# Altium PCB LOGI-PI.PcbDoc (part 1 of 3)
Units mil, origin at the board's own origin, x right, y up, seen from the top; angles counter-clockwise.
Board outline 3363.37 x 2303.46 mil, 4 copper layers (Top Layer, GND, VDD, Bottom Layer); 111 components, 137 nets, 532 pads, 353 vias.
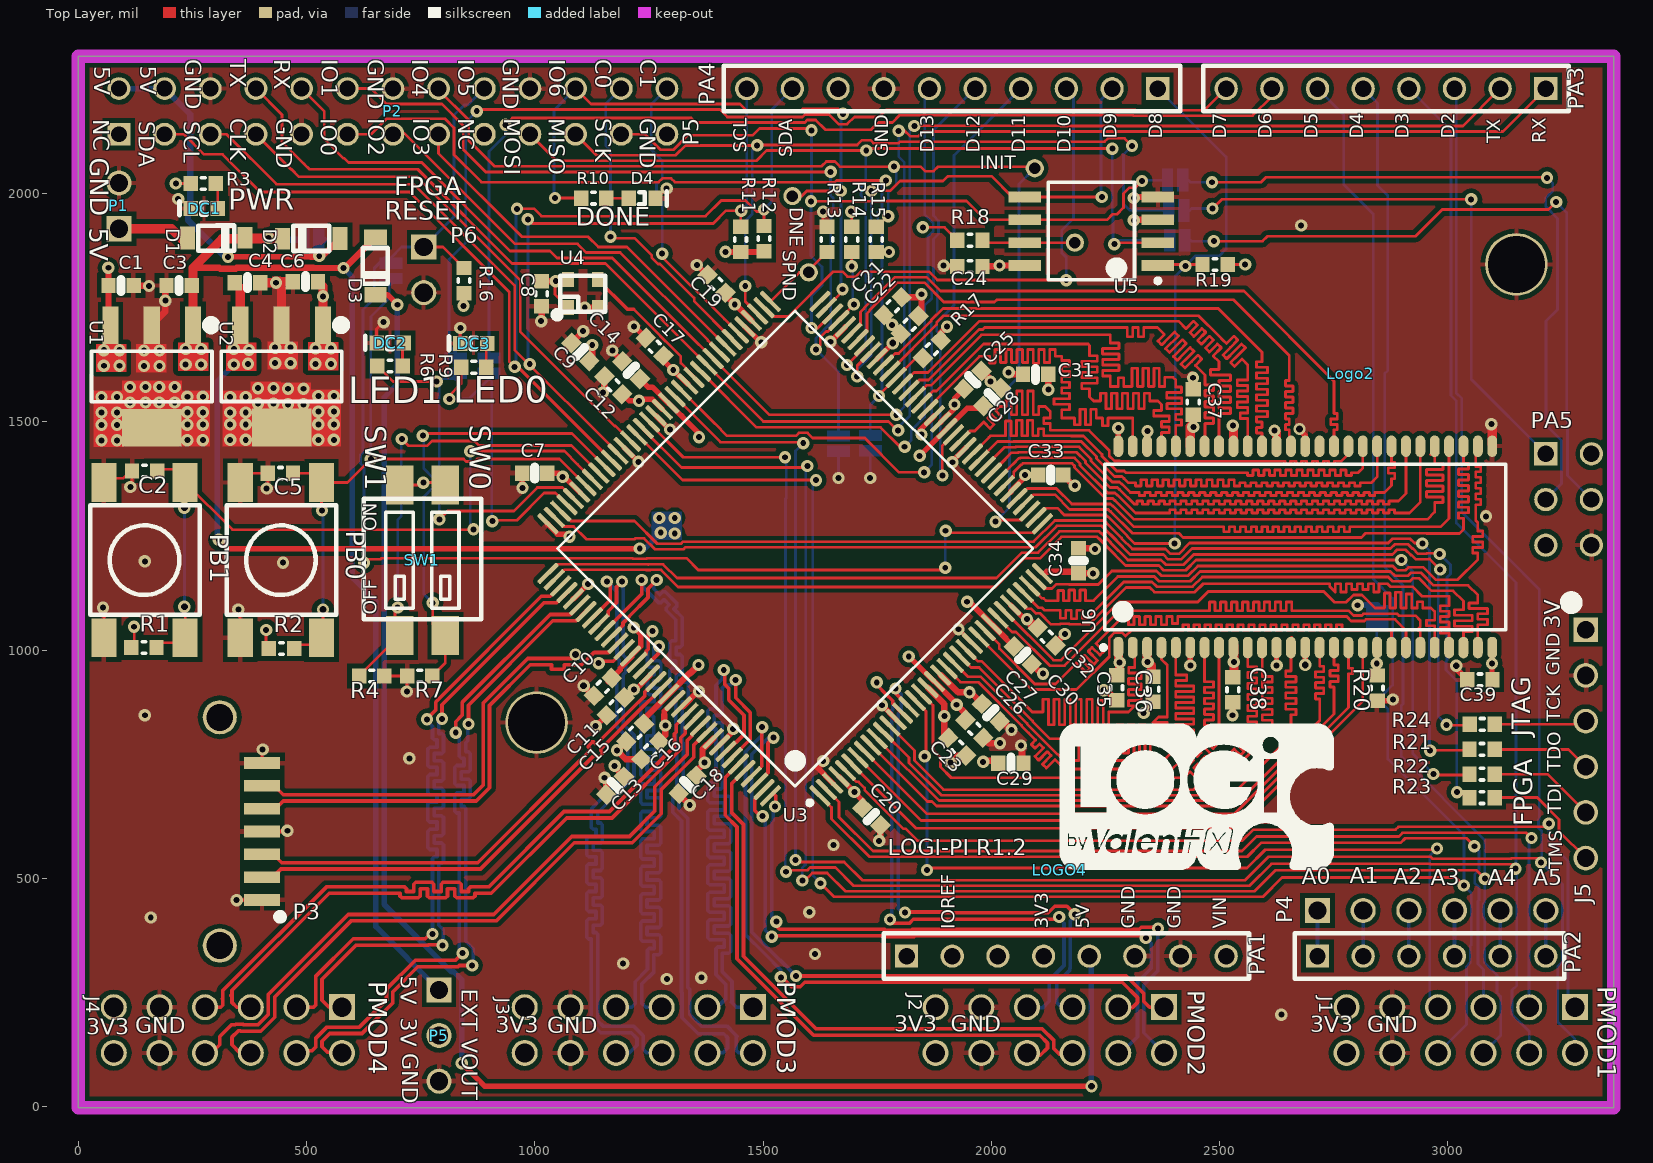
[diagram p0: Top Layer view]
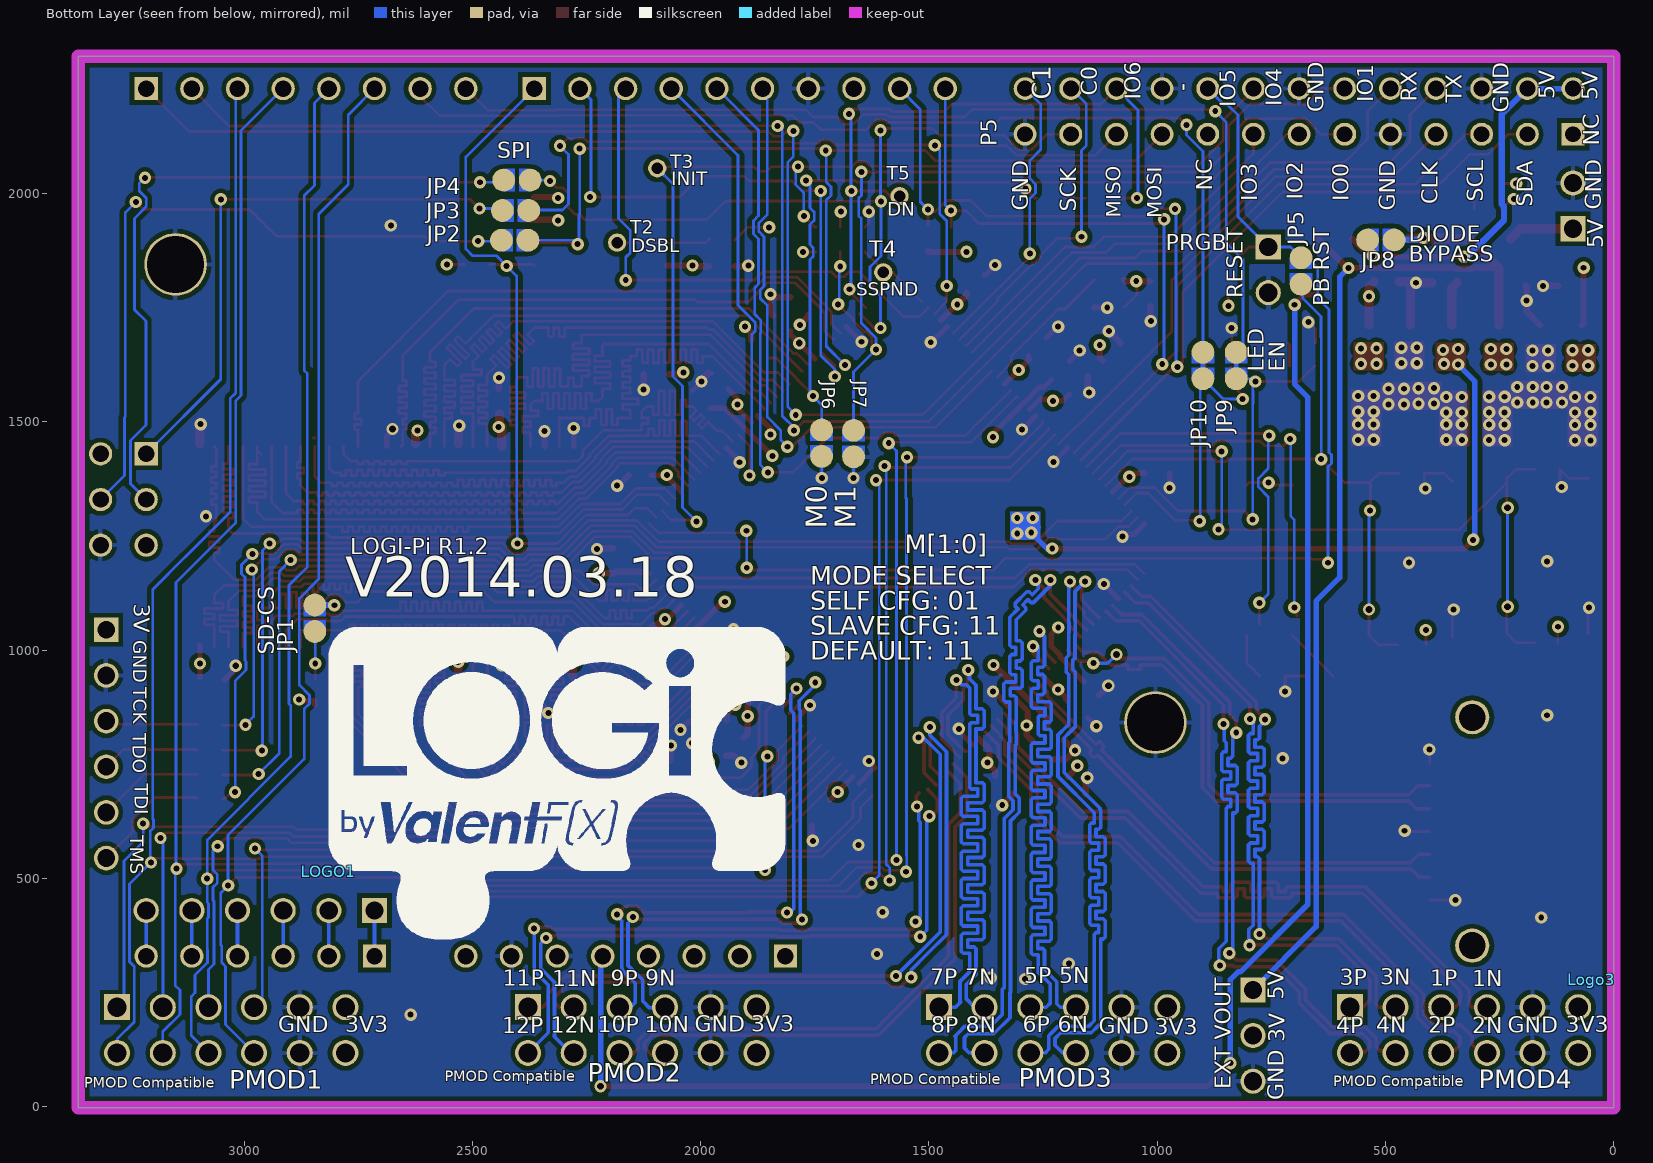
[diagram p1: Bottom Layer view, seen from below]
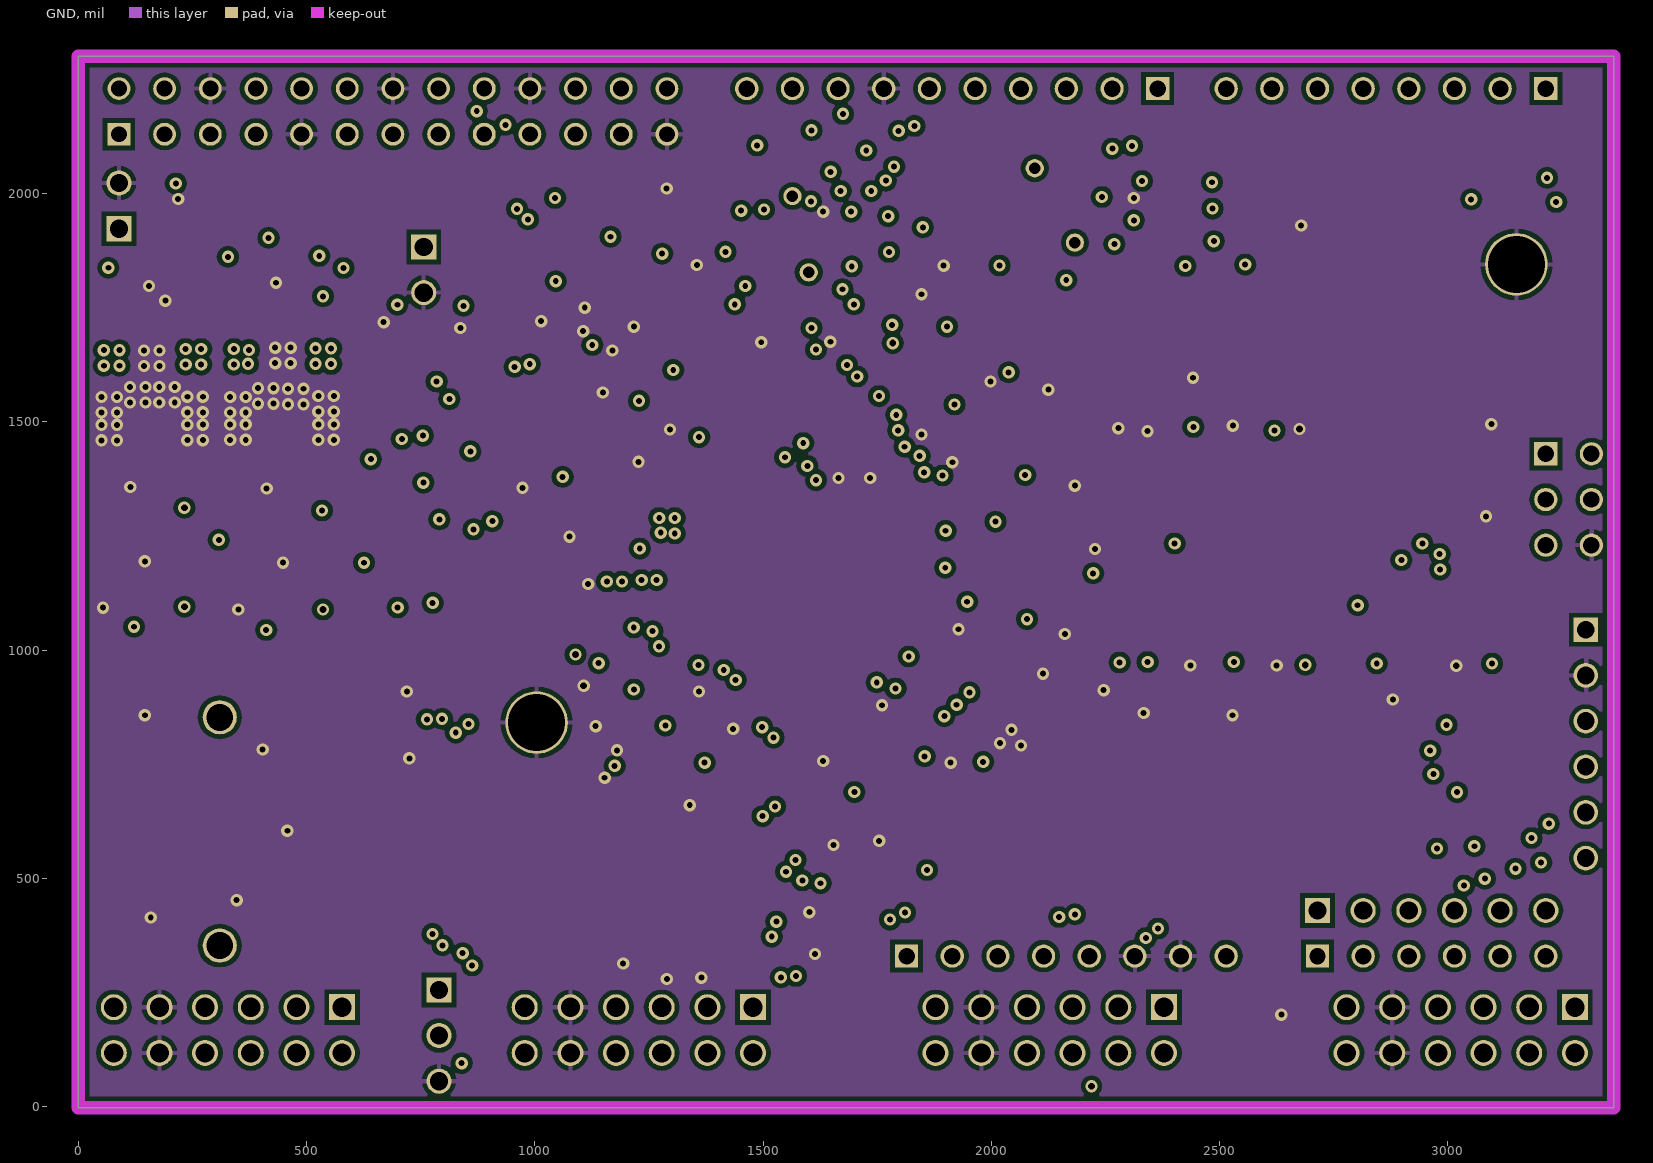
[diagram p2: GND]
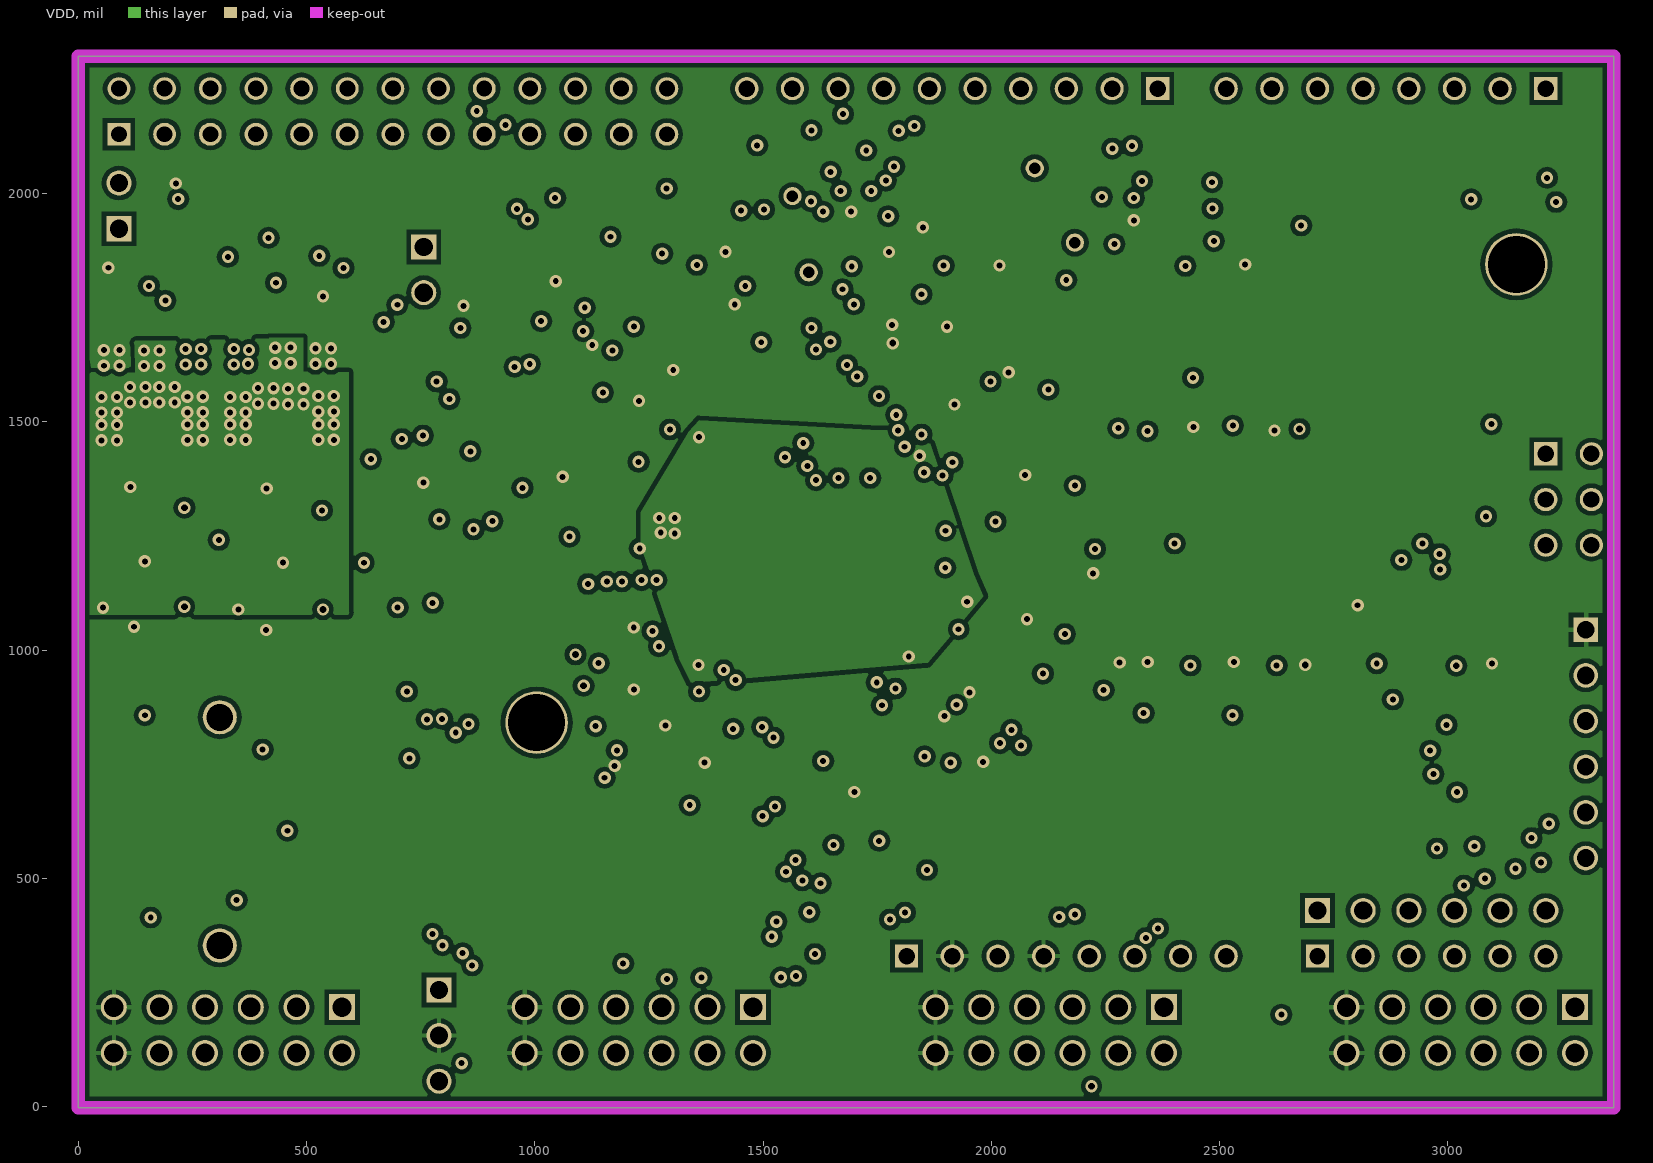
[diagram p3: VDD]
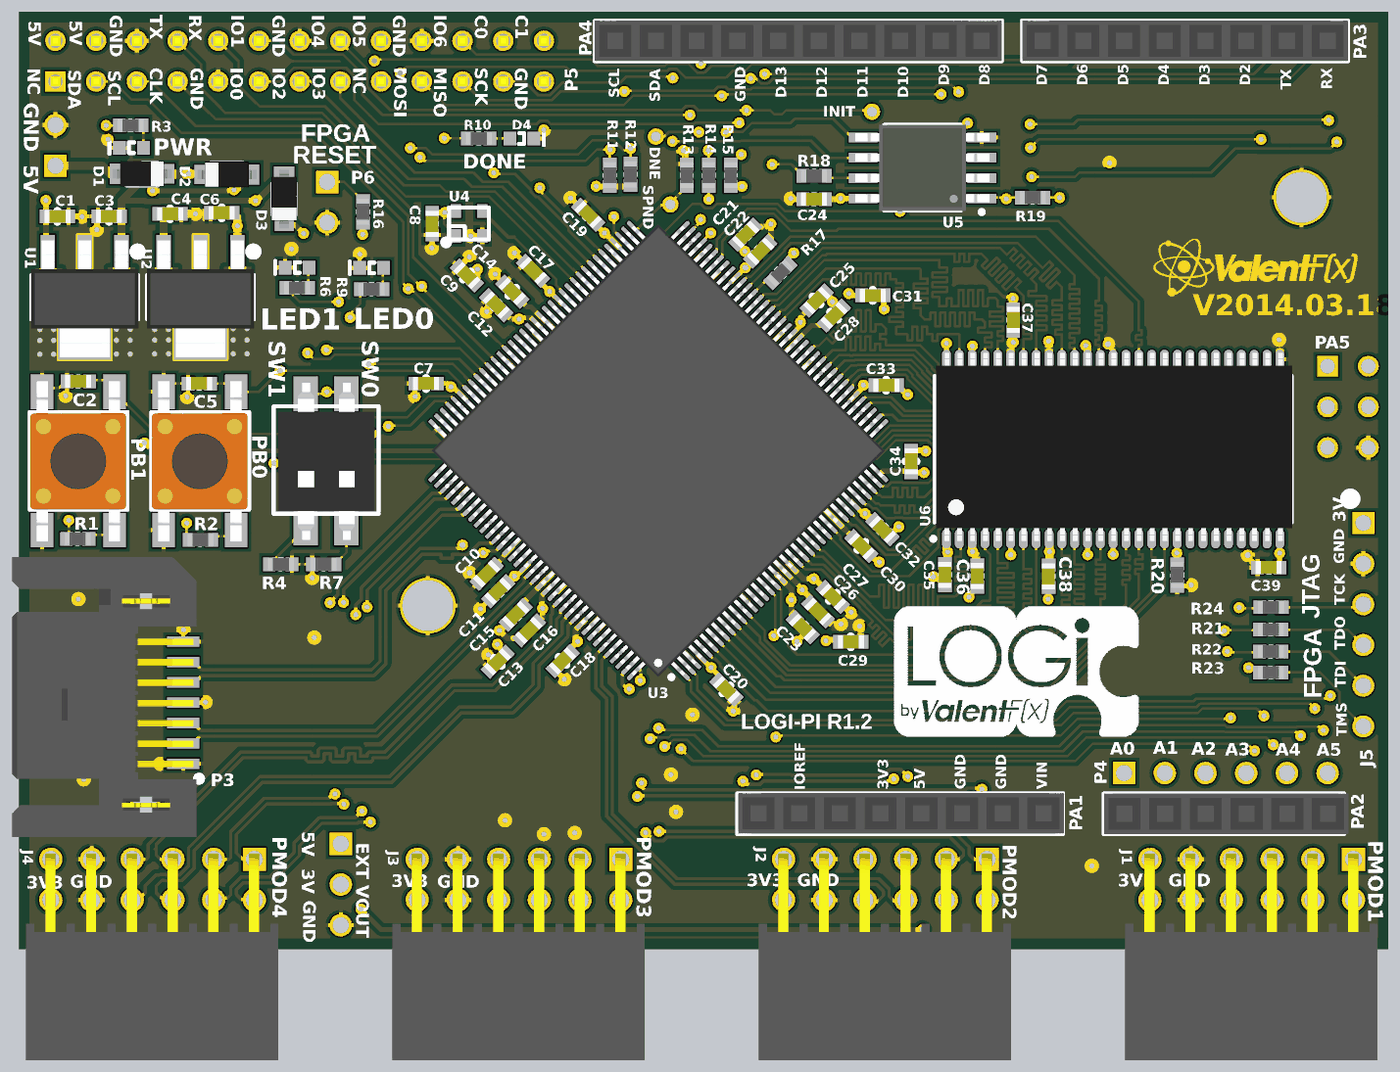
[diagram p6: 3D render of the assembled board from above, using the file's embedded part models]

## Layer stack, top to bottom
Top Solder: solder mask 0.4, Solder Resist, Dk 3.5
Top Layer: signal copper 1.4
Dielectric1: core 12.6, FR-4, Dk 4.8
GND: signal copper 1.4
Dielectric2: prepreg 12.6, FR-4, Dk 4.8
VDD: signal copper 1.4
Dielectric3: core 12.6, FR-4, Dk 4.8
Bottom Layer: signal copper 1.4
Bottom Solder: solder mask 0.4, Solder Resist, Dk 3.5

## Board outline
0,-2.46 3363.37,-2.46 3363.37,2301 0,2301

## Design rules (kind name [scope] priority, off if disabled: settings)
Clearance POLY_IN_BGA [(WithinRoom('BGA_INNER'))] p1: gap=6
Clearance POLY_TO_POLY [inpoly vs inpoly] p2: gap=10
Clearance polytoall [inpolygon] p3: gap=10
Clearance [All] p4: gap=6
DiffPairsRouting [All] p1: maxlimit=6 minlimit=6 mostfreqgap=6 toplayer_minwidth=6 toplayer_maxwidth=15 toplayer_prefwidth=8 midlayer1_minwidth=6 midlayer1_maxwidth=15 midlayer1_prefwidth=8 midlayer2_minwidth=6 midlayer2_maxwidth=15 midlayer2_prefwidth=8 bottomlayer_minwidth=6 bottomlayer_maxwidth=15 bottomlayer_prefwidth=8 maxuncoupledlength=500
FabricationTestPointUsage TestPointUsage [All] p1: valid=0 allowmultiple=FALSE
FabricationTestpoint Testpoint [All] p1: side=3 testpointundercomponent=TRUE minsize=40 maxsize=100 preferedsize=60 minholesize=0 maxholesize=40 preferedholesize=32 testpointgrid=1 allowsidetop=TRUE allowsidebottom=TRUE usegrid=TRUE gridtolerance=0.01
PlaneClearance [All] p1: clearance=10
PlaneConnect PlaneConnect_1 [(ObjectKind = 'Pad') And ((Component = 'U1')  or    (Component = 'U2')  )] p1: planeconnectstyle=Direct reliefexpansion=20 reliefentries=4 reliefconductorwidth=10 reliefairgap=10
PlaneConnect via-plane [isvia] p2: planeconnectstyle=Direct reliefexpansion=20 reliefentries=4 reliefconductorwidth=10 reliefairgap=10
PlaneConnect [All] p3: planeconnectstyle=Relief reliefexpansion=20 reliefentries=4 reliefconductorwidth=10 reliefairgap=10
PolygonConnect PolygonConnect_1 [(ObjectKind = 'Pad') And ((Component = 'U1')  or    (Component = 'U2')  )] p1: connectstyle=Direct reliefconductorwidth=10 reliefentries=4 polygonreliefangle="90 Angle" airgapwidth=10
PolygonConnect via-poly [isvia] p2: connectstyle=Direct reliefconductorwidth=10 reliefentries=4 polygonreliefangle="90 Angle" airgapwidth=10
PolygonConnect [All] p3: connectstyle=Relief reliefconductorwidth=10 reliefentries=4 polygonreliefangle="90 Angle" airgapwidth=10
RoutingLayers [All] p1: top layer_v5=TRUE mid layer 1_v5=FALSE mid layer 2_v5=FALSE bottom layer_v5=TRUE
RoutingVias [All] p1: holewidth=13 width=27 viastyle="Through Hole" minholewidth=13 minwidth=27 maxholewidth=25 maxwidth=40
SilkToSolderMaskClearance SilkscreenOverComponentPads [IsPad] p1: minsilkscreentomaskgap=10 clearancetoexposedcopper=TRUE
SolderMaskExpansion VIA [isvia and not(locked)] p1: expansion=-100
SolderMaskExpansion SolderMaskExpansion_1 [All] p2: expansion=4
UnpouredPolygon [All] p1: allowunpoured=FALSE
Width diff-pair-width [IsDifferentialPair] p1: maxlimit=10 minlimit=6 preferedwidth=8
Width [All] p2: maxlimit=30 minlimit=6 preferedwidth=14
22 further rules are at their usual default settings.

## Classes and differential pairs
net class differential: PMOD2_1_DIFF11_P PMOD2_2_DIFF11_N PMOD2_3_DIFF9_P PMOD2_7_DIFF12_P PMOD2_8_DIFF12_N PMOD2_9_DIFF10_P PMOD2_10_DIFF10_N PMOD3_1_DIFF7_P PMOD3_2_DIFF7_N PMOD3_3_DIFF5_P PMOD3_4_DIFF5_N PMOD3_7_DIFF8_P PMOD3_8_DIFF8_N PMOD3_9_DIFF6_P PMOD3_10_DIFF6_N PMOD4_1_DIFF3_P PMOD4_2_DIFF3_N PMOD4_3_DIFF1_P PMOD4_4_DIFF1_N PMOD4_7_DIFF4_P PMOD4_8_DIFF4_N PMOD4_9_DIFF2_P PMOD4_10_DIFF2_N
net class SPI: SYS_MISO SYS_MOSI SYS_SCK
net class SATA: SATA_D1_N SATA_D1_P SATA_D2_N SATA_D2_P
component class RAM: C35 C36 C37 C38 C39 JP1 R20 U6
net class JTAG: TCK TDI TDO TMS
net class RAM: SD-A0 SD-A1 SD-A2 SD-A3 SD-A4 SD-A5 SD-A6 SD-A7 SD-A8 SD-A9 SD-A10 SD-A11 SD-A12 SD-BA0 SD-BA1 SD-CAS SD-CKE SD-CLK SD-DQ0 SD-DQ1 SD-DQ2 SD-DQ3 SD-DQ4 SD-DQ5 SD-DQ6 SD-DQ7 SD-DQ8 SD-DQ9 SD-DQ10 SD-DQ11 SD-DQ12 SD-DQ13 SD-DQ14 SD-DQ15 SD-DQMH SD-DQML SD-RAS SD-WE
differential pair SATA_D1: +SATA_D1_P -SATA_D1_N
differential pair SATA_D2: +SATA_D2_P -SATA_D2_N
differential pair PMOD3_1_DIFF7: +PMOD3_1_DIFF7_P -PMOD3_2_DIFF7_N
differential pair PMOD3_3_DIFF5: +PMOD3_3_DIFF5_P -PMOD3_4_DIFF5_N
differential pair PMOD3_8_DIFF8: +PMOD3_7_DIFF8_P -PMOD3_8_DIFF8_N
differential pair PMOD3_10_DIFF6: +PMOD3_9_DIFF6_P -PMOD3_10_DIFF6_N
differential pair PMOD4_1_DIFF3: +PMOD4_1_DIFF3_P -PMOD4_2_DIFF3_N
differential pair PMOD4_3_DIFF1: +PMOD4_3_DIFF1_P -PMOD4_4_DIFF1_N
differential pair PMOD4_8_DIFF4: +PMOD4_7_DIFF4_P -PMOD4_8_DIFF4_N
differential pair PMOD4_10_DIFF2: +PMOD4_9_DIFF2_P -PMOD4_10_DIFF2_N

## Components (designator, comment, footprint, x,y, rotation, side; value= is the part's Value field where it differs from the comment)
C1 "4.7uF" "C0603 - Marked" 94,1798.54 r0 top
C2 ".1uF" C0603 145.37,1392.54 r180 top
C3 "4.7uF" "C0603 - Marked" 221,1798.54 r180 top
C4 "4.7uF" "C0603 - Marked" 370.87,1804.81 r0 top
C5 ".1uF" C0603 442.85,1387.29 r180 top
C6 "4.7uF" "C0603 - Marked" 497.83,1807 r180 top
C7 "4.7uF" "C0603 - Marked" 1000,1387.54 r180 top
C8 ".1uF" C0603 1015,1780.54 r270 top
C9 "4.7uF" "C0603 - Marked" 1100.1,1653.09 r135 top
C10 ".47uF" C0603 1149.1,919.71 r225 top
C11 ".47uF" C0603 1177,877 r225 top
C12 ".47uF" C0603 1172.1,1580.09 r135 top
C13 "4.7uF" "C0603 - Marked" 1176,703.54 r225 top
C14 "4.7uF" "C0603 - Marked" 1211.19,1613.42 r135 top
C15 ".47uF" C0603 1220,819.33 r225 top
C16 ".47uF" C0603 1253,780.46 r225 top
C17 ".47uF" C0603 1262.64,1664.46 r135 top
C18 "4.7uF" "C0603 - Marked" 1335,705.54 r225 top
C19 ".47uF" C0603 1398,1802.54 r135 top
C20 "4.7uF" "C0603 - Marked" 1737.5,635.54 r315 top
C21 ".47uF" C0603 1784.1,1753.54 r45 top
C22 ".47uF" C0603 1821,1712.54 r45 top
C23 ".47uF" C0603 1925,788.54 r315 top
C24 ".1uF" C0603 1953,1840.54 r180 top
C25 "4.7uF" "C0603 - Marked" 1959,1591.83 r45 top
C26 ".47uF" C0603 1962.75,827.54 r315 top
C27 "4.7uF" "C0603 - Marked" 1999,863.29 r315 top
C28 "4.7uF" "C0603 - Marked" 2002,1554.54 r45 top
C29 "4.7uF" "C0603 - Marked" 2043,752.54 r0 top
C30 "4.7uF" "C0603 - Marked" 2069,988.54 r315 top
C31 "4.7uF" "C0603 - Marked" 2097,1604.23 r0 top
C32 ".47uF" C0603 2121.03,1029.54 r315 top
C33 "4.7uF" "C0603 - Marked" 2130,1383.54 r0 top
C34 "4.7uF" "C0603 - Marked" 2191,1195.98 r90 top
C35 ".1uF" C0603 2274.5,917.71 r270 top
C36 ".1uF" C0603 2354,914.54 r270 top
C37 ".1uF" C0603 2442.22,1543.58 r90 top
C38 ".1uF" C0603 2529,913.54 r270 top
C39 ".1uF" C0603 3070.04,935 r180 top
D1 "RB161M-20TR" SOD-123 302.37,1903 r270 top
D2 "RB161M-20TR" SOD-123 510.37,1901.35 r90 top
D3 "RB161M-20TR" SOD-123 651.27,1841.54 r180 top
D4 "598-8010-107F" "LED_0603 - RED" 1235,1989.72 r0 top
DC1 "598-8010-107F" "LED_0603 - RED" 276,1967.2 r180 top
DC2 "598-8010-107F" "LED_0603 - RED" 683.16,1672.55 r180 top
DC3 "598-8010-107F" "LED_0603 - RED" 866.26,1671.64 r180 top
J1 "SSQ-106-02-G-D-RA" "PMOD HEADER - SSQ-106-02-G-D-RA" 3278.04,218 r180 top locked
J2 "SSQ-106-02-G-D-RA" "PMOD HEADER - SSQ-106-02-G-D-RA" 2378.04,218 r180 top locked
J3 "SSQ-106-02-G-D-RA" "PMOD HEADER - SSQ-106-02-G-D-RA" 1478.04,218 r180 top locked
J4 "SSQ-106-02-G-D-RA" "PMOD HEADER - SSQ-106-02-G-D-RA" 578.04,218 r180 top locked
J5 "JTAG Header" "JTAG - Digilent HS1" 3302,1044.71 r270 top
JP1 "Solder Jumper" SOLDER_JUMPER 2845.05,1099 r90 bottom
JP2 "Solder Jumper" SOLDER_JUMPER 2378.39,1897.88 r180 bottom
JP3 "Solder Jumper" SOLDER_JUMPER 2376.39,1962.88 r180 bottom
JP4 "Solder Jumper" SOLDER_JUMPER 2373.39,2029.46 r180 bottom
JP5 "Solder Jumper" SOLDER_JUMPER 685,1859.54 r90 bottom
JP6 "Solder Jumper" SOLDER_JUMPER 1735,1482.54 r90 bottom
JP7 "Solder Jumper" SOLDER_JUMPER 1665,1481.54 r90 bottom
JP8 "Solder Jumper" SOLDER_JUMPER 539.17,1898.54 r0 bottom
JP9 "Solder Jumper-NC" SOLDER_JUMPER-NC 827,1594.54 r270 bottom net-tie
JP10 "Solder Jumper-NC" SOLDER_JUMPER-NC 900,1594.54 r270 bottom net-tie
LOGO1 "LOGI-1000" LOGI-1000-SILK 2814.37,514.71 r180 bottom
Logo2 "Valent Logo 500" VALENTFX_500-SolderMask 2787.37,1605.75 r0 top
Logo3 "Valent Logo 750" VALENTFX_750-SolderMask 48,278.47 r90 bottom
LOGO4 "LOGI-600" LOGI-600-SILK 2150,518.04 r0 top
P1 "VIN" "HEADER_2_40_100 THRU SIP" 89.37,1923 r90 top
P2 "BSSH-113-D-10-G" "RASPBERR PI - 26" 689.37,2180 r0 top locked
P3 "SATA - 67490-1220" "SATA - 67490-3220" 403.04,453 r270 top locked
P4 "Header6" "HEADER_6_40_100 THRU SIP" 2714.37,430 r0 top
P5 "Header3" "HEADER_3_40_100 THRU SIP" 790.37,256 r270 top
P6 "Header2" "HEADER_2_40_100 THRU SIP" 756.8,1883.04 r270 top
PA1 "Arduino Due P1" "ARDUINO DUE P1" 1814.37,330 r90 top locked
PA2 "Arduino Due P2" "ARDUINO DUE P2" 2714.37,330 r90 top locked
PA3 "Arduino Due P3" "ARDUINO DUE P3" 3214.37,2230 r90 top locked
PA4 "Arduino Due P4" "ARDUINO DUE P4" 2364.37,2230 r90 top locked
PA5 "Arduino Due P5" "Arduino Due P5" 1814.37,330 r90 top
PB0 "FSM4JSMATR" FSM4JSMA 444.04,1197.29 r0 top
PB1 "FSM4JSMATR" FSM4JSMA 145.36,1197.29 r0 top
R1 "10k" R0603 144,1005.79 r0 top
R2 "10k" R0603 445.36,1003.54 r0 top
R3 "330" R0603 274.04,2022 r0 top
R4 "10k" R0603 643,943.31 r180 top
R6 "330" R0603 683.01,1622.52 r180 top
R7 "10k" R0603 748,943.31 r0 top
R9 "330" R0603 866.26,1619.64 r180 top
R10 "330" R0603 1129,1990 r0 top
R11 "10k" R0603 1451,1899.54 r270 top
R12 "10k" R0603 1502,1901.54 r270 top
R13 "10k" R0603 1640,1899.54 r270 top
R14 "10k" R0603 1694.25,1899.54 r270 top
R15 "10k" R0603 1748,1899.54 r270 top
R16 "10k" R0603 845,1809.54 r270 top
R17 "10k" R0603 1869.91,1659.42 r225 top
R18 "10k" R0603 1953,1897.88 r180 top
R19 "10k" R0603 2490,1844.54 r0 top
R20 "10k" R0603 2845.05,917 r90 top
R21 "330" R0603 3074.88,782.74 r180 top
R22 "330" R0603 3074.88,728.54 r180 top
R23 "330" R0603 3074.88,677.11 r180 top
R24 "330" R0603 3075.16,837.6 r180 top
SW1 "219-2MST" "DIPSW - 219-2MST" 704.06,1032 r0 top
T2 "Test Point" "Tp 25-40" 2183,1892.54 r180 bottom
T3 "Test Point" "Tp 25-40" 2095,2055.54 r180 bottom
T4 "Test Point" "Tp 25-40" 1600,1827.54 r180 bottom
T5 "Test Point" "Tp 25-40" 1564.37,1994.54 r180 bottom
U1 "MCP1826S-3302E/DB" SOT223 161.14,1599.61 r270 top locked
U2 "MCP1826S-1202E/DB" SOT223 445.67,1599.69 r270 top locked
U3 "XC6SLX9-2TQG144C" TQ144_L 1570.37,1222.54 r135 top locked
U4 "ASDMB-50.000MHZ-LC-T" "ASDMB - osc" 1073,1750.54 r0 top
U5 "M25PE16" SOIC127P830X200-8L 2219,1917.54 r180 top
U6 "MT48LC16M16A2P-7E" TSOP2-54_L 2687.57,1226.27 r90 top locked
